# Altium PCB WX0.000.863拼板.PcbDoc (part 1 of 15) (continued)
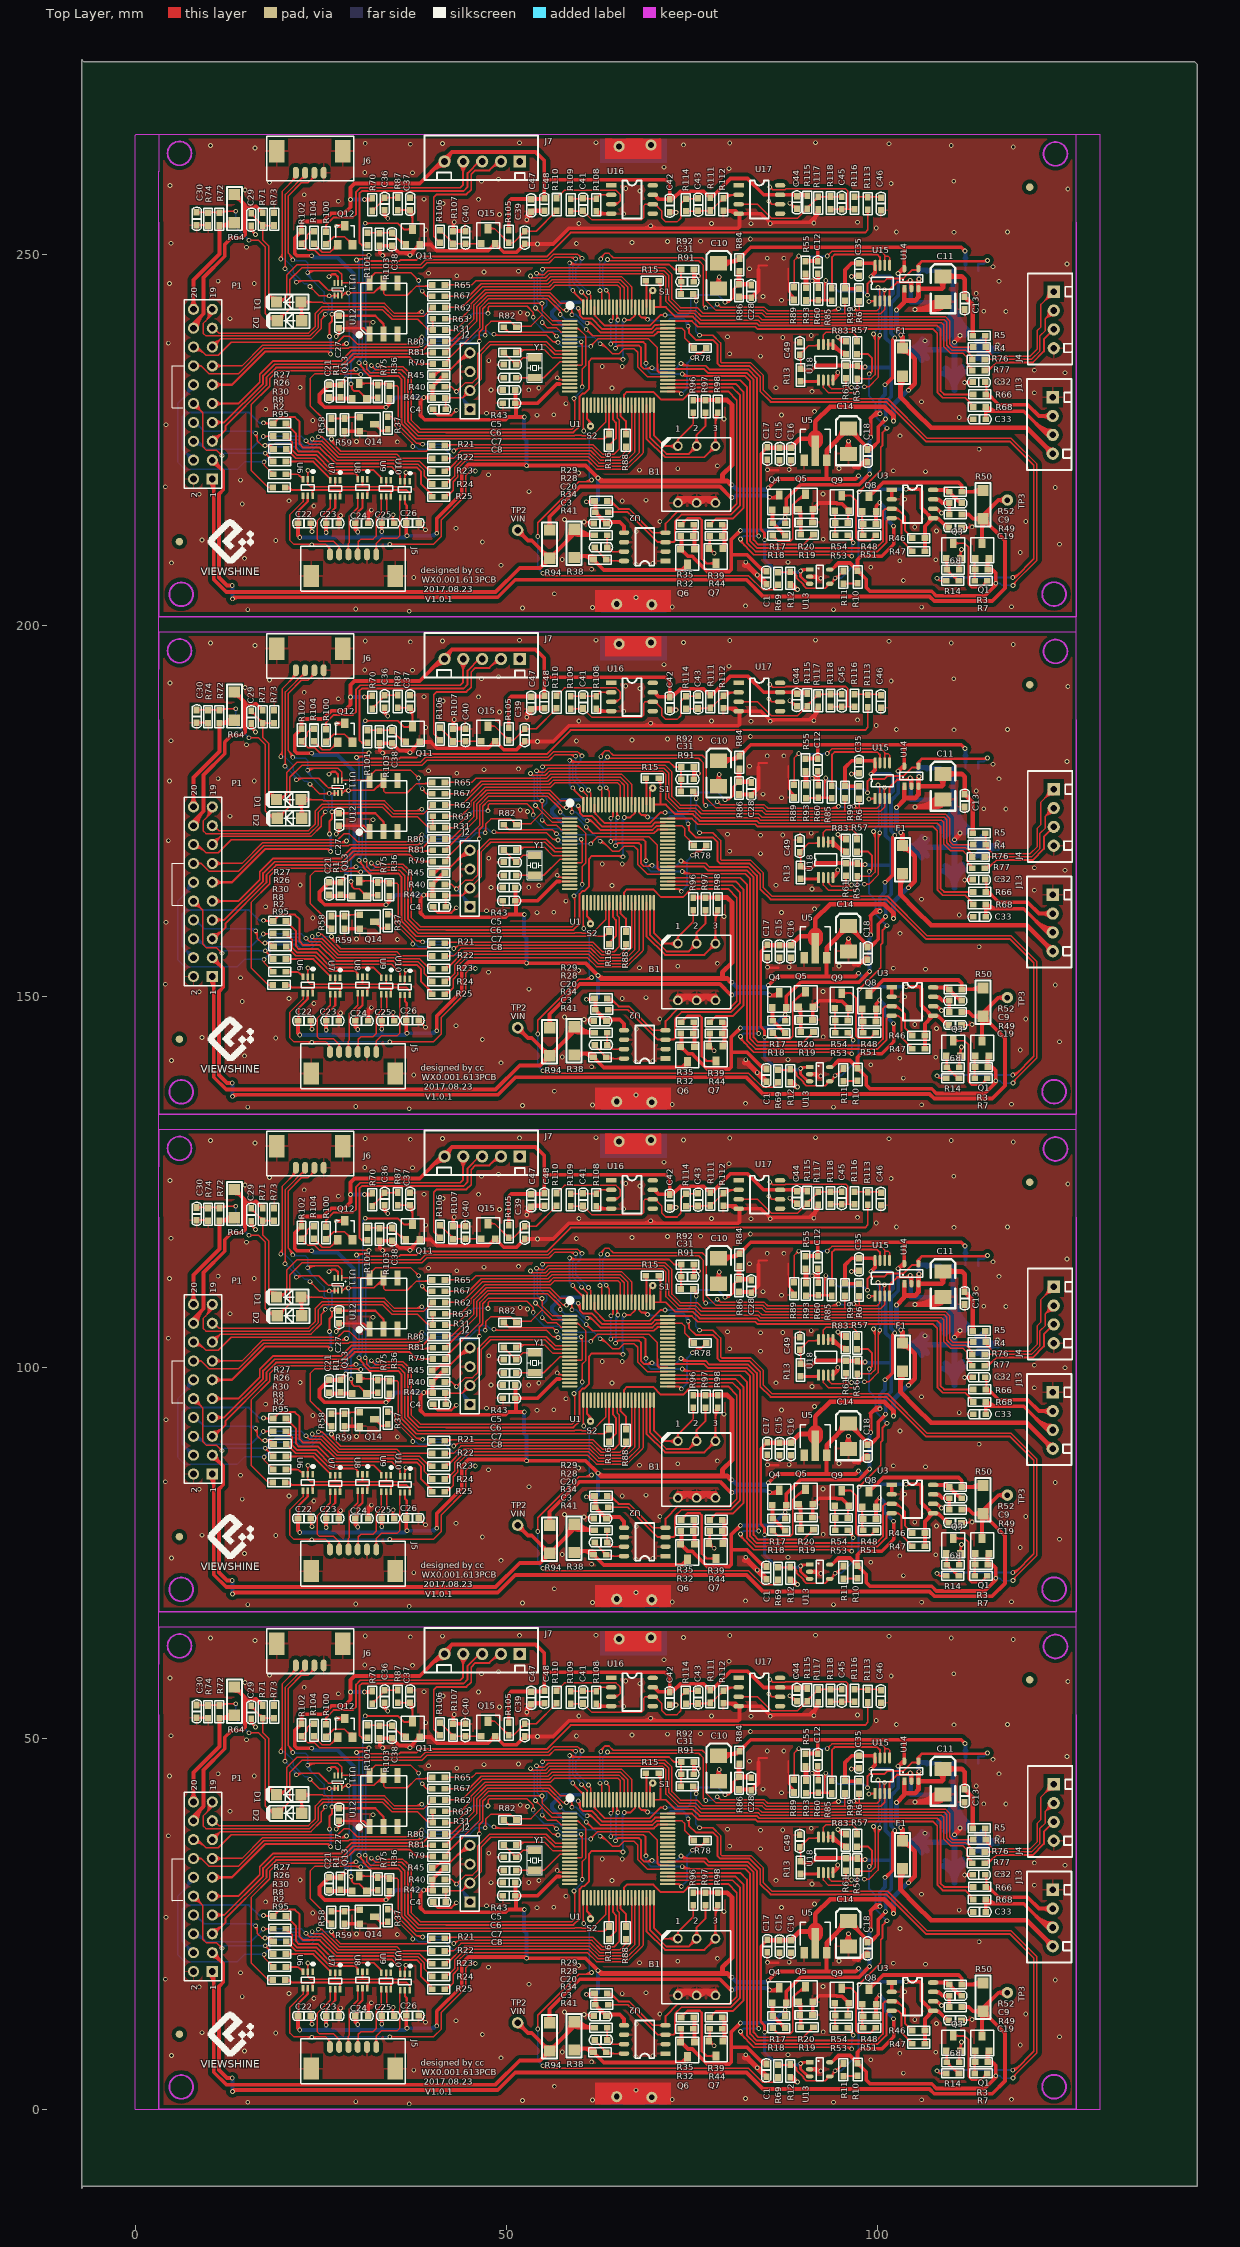
[diagram p0: Top Layer view]
## Components (designator, comment, footprint, x,y, rotation, side; value= is the part's Value field where it differs from the comment) (continued)
R25 "10k" R0603 41.707,83.21 r180 top
R25 "10k" R0603 41.707,150.266 r180 top
R25 "10k" R0603 41.707,217.322 r180 top
R26 "10" R0603 20.295,24.32 r180 top
R26 "10" R0603 20.295,91.376 r180 top
R26 "10" R0603 20.295,158.433 r180 top
R26 "10" R0603 20.295,225.488 r180 top
R27 "10" R0603 20.295,26.035 r180 top
R27 "10" R0603 20.295,93.091 r180 top
R27 "10" R0603 20.295,160.147 r180 top
R27 "10" R0603 20.295,227.203 r180 top
R28 "10k" R0603 63.703,14.072 r180 top
R28 "10k" R0603 63.703,81.128 r180 top
R28 "10k" R0603 63.703,148.184 r180 top
R28 "10k" R0603 63.703,215.24 r180 top
R29 "10K" R0603 63.576,15.596 r180 top
R29 "10K" R0603 63.576,82.652 r180 top
R29 "10K" R0603 63.576,149.708 r180 top
R29 "10K" R0603 63.576,216.764 r180 top
R30 "10" R0603 20.32,22.606 r180 top
R30 "10" R0603 20.32,89.662 r180 top
R30 "10" R0603 20.32,156.718 r180 top
R30 "10" R0603 20.32,223.774 r180 top
R31 "100" R0603 40.05,38.624 r0 top
R31 "100" R0603 40.05,105.68 r0 top
R31 "100" R0603 40.05,172.736 r0 top
R31 "100" R0603 40.05,239.792 r0 top
R32 "100k" R0603 75.184,10.846 r180 top
R32 "100k" R0603 75.184,77.902 r180 top
R32 "100k" R0603 75.184,144.958 r180 top
R32 "100k" R0603 75.184,212.014 r180 top
R34 "10" R0603 63.576,10.973 r180 top
R34 "10" R0603 63.576,78.029 r180 top
R34 "10" R0603 63.576,145.085 r180 top
R34 "10" R0603 63.576,212.141 r180 top
R35 "10k" R0603 73.533,12.37 r0 top
R35 "10k" R0603 73.533,79.426 r0 top
R35 "10k" R0603 73.533,146.482 r0 top
R35 "10k" R0603 73.533,213.538 r0 top
R36 "4.7k" R0603 34.239,31.09 r270 top
R36 "4.7k" R0603 34.239,98.146 r270 top
R36 "4.7k" R0603 34.239,165.202 r270 top
R36 "4.7k" R0603 34.239,232.258 r270 top
R37 "10k" R0603 34.011,25.248 r90 top
R37 "10k" R0603 34.011,92.304 r90 top
R37 "10k" R0603 34.011,159.36 r90 top
R37 "10k" R0603 34.011,226.416 r90 top
R38 "100" R1206 59.131,9.881 r270 top
R38 "100" R1206 59.131,76.937 r270 top
R38 "100" R1206 59.131,143.993 r270 top
R38 "100" R1206 59.131,211.049 r270 top
R39 "10k" R0603 79.121,12.37 r180 top
R39 "10k" R0603 79.121,79.426 r180 top
R39 "10k" R0603 79.121,146.482 r180 top
R39 "10k" R0603 79.121,213.538 r180 top
R40 "1K" R0603 41.727,30.967 r180 top
R40 "1K" R0603 41.727,98.023 r180 top
R40 "1K" R0603 41.727,165.079 r180 top
R40 "1K" R0603 41.727,232.135 r180 top
R41 "10" R0603 63.449,7.671 r180 top
R41 "10" R0603 63.449,74.727 r180 top
R41 "10" R0603 63.449,141.783 r180 top
R41 "10" R0603 63.449,208.839 r180 top
R42 "20k" R0603 40.05,29.466 r0 top
R42 "20k" R0603 40.05,96.522 r0 top
R42 "20k" R0603 40.05,163.578 r0 top
R42 "20k" R0603 40.05,230.634 r0 top
R43 "100K" r0603 49.631,35.611 r0 top
R43 "100K" r0603 49.631,102.667 r0 top
R43 "100K" r0603 49.631,169.723 r0 top
R43 "100K" r0603 49.631,236.779 r0 top
R44 "10k" R0603 79.121,10.846 r180 top
R44 "10k" R0603 79.121,77.902 r180 top
R44 "10k" R0603 79.121,144.958 r180 top
R44 "10k" R0603 79.121,212.014 r180 top
R45 "10" R0603 41.727,32.494 r180 top
R45 "10" R0603 41.727,99.55 r180 top
R45 "10" R0603 41.727,166.606 r180 top
R45 "10" R0603 41.727,233.662 r180 top
R46 "10k" R0603 104.724,10.592 r0 top
R46 "10k" R0603 104.724,77.648 r0 top
R46 "10k" R0603 104.724,144.704 r0 top
R46 "10k" R0603 104.724,211.76 r0 top
R47 "10K" R0603 104.724,8.814 r0 top
R47 "10K" R0603 104.724,75.87 r0 top
R47 "10K" R0603 104.724,142.926 r0 top
R47 "10K" R0603 104.724,209.982 r0 top
R48 "100k" R0603 98.12,12.497 r0 top
R48 "100k" R0603 98.12,79.553 r0 top
R48 "100k" R0603 98.12,146.609 r0 top
R48 "100k" R0603 98.12,213.665 r0 top
R49 "10" R0603 109.677,13.767 r0 top
R49 "10" R0603 109.677,80.823 r0 top
R49 "10" R0603 109.677,147.879 r0 top
R49 "10" R0603 109.677,214.935 r0 top
R50 "100" R1206 114.249,15.088 r90 top
R50 "100" R1206 114.249,82.144 r90 top
R50 "100" R1206 114.249,149.2 r90 top
R50 "100" R1206 114.249,216.256 r90 top
R51 "10k" R0603 99.771,10.973 r180 top
R51 "10k" R0603 99.771,78.029 r180 top
R51 "10k" R0603 99.771,145.085 r180 top
R51 "10k" R0603 99.771,212.141 r180 top
R52 "10" R0603 109.677,16.815 r0 top
R52 "10" R0603 109.677,83.871 r0 top
R52 "10" R0603 109.677,150.927 r0 top
R52 "10" R0603 109.677,217.983 r0 top
R53 "10k" R0603 94.31,10.973 r0 top
R53 "10k" R0603 94.31,78.029 r0 top
R53 "10k" R0603 94.31,145.085 r0 top
R53 "10k" R0603 94.31,212.141 r0 top
R54 "10k" R0603 94.31,12.624 r0 top
R54 "10k" R0603 94.31,79.68 r0 top
R54 "10k" R0603 94.31,146.736 r0 top
R54 "10k" R0603 94.31,213.792 r0 top
R55 "22K" R0603 90.322,47.879 r270 top
R55 "22K" R0603 90.322,114.935 r270 top
R55 "22K" R0603 90.322,181.991 r270 top
R55 "22K" R0603 90.322,249.047 r270 top
R56 "10k" R0603 97.282,33.782 r270 top
R56 "10k" R0603 97.282,100.838 r270 top
R56 "10k" R0603 97.282,167.894 r270 top
R56 "10k" R0603 97.282,234.95 r270 top
R57 "3K 1%" R0603 97.257,35.382 r90 top
R57 "3K 1%" R0603 97.257,102.438 r90 top
R57 "3K 1%" R0603 97.257,169.494 r90 top
R57 "3K 1%" R0603 97.257,236.55 r90 top
R58 "10k" R0603 26.416,26.695 r270 top
R58 "10k" R0603 26.416,93.751 r270 top
R58 "10k" R0603 26.416,160.807 r270 top
R58 "10k" R0603 26.416,227.863 r270 top
R59 "10k" R0603 28.194,26.695 r270 top
R59 "10k" R0603 28.194,93.751 r270 top
R59 "10k" R0603 28.194,160.807 r270 top
R59 "10k" R0603 28.194,227.863 r270 top
R60 "10K" R0603 92.024,42.647 r90 top
R60 "10K" R0603 92.024,109.703 r90 top
R60 "10K" R0603 92.024,176.759 r90 top
R60 "10K" R0603 92.024,243.815 r90 top
R61 "10k" R0603 95.758,32.131 r90 top
R61 "10k" R0603 95.758,99.187 r90 top
R61 "10k" R0603 95.758,166.243 r90 top
R61 "10k" R0603 95.758,233.299 r90 top
R62 "100" R0603 40.05,41.677 r0 top
R62 "100" R0603 40.05,108.733 r0 top
R62 "100" R0603 40.05,175.789 r0 top
R62 "100" R0603 40.05,242.845 r0 top
R63 "100" R0603 40.05,40.15 r0 top
R63 "100" R0603 40.05,107.206 r0 top
R63 "100" R0603 40.05,174.262 r0 top
R63 "100" R0603 40.05,241.318 r0 top
R64 "20" R1206 13.335,54.991 r90 top
R64 "20" R1206 13.335,122.047 r90 top
R64 "20" R1206 13.335,189.103 r90 top
R64 "20" R1206 13.335,256.159 r90 top
R65 "100" R0603 41.727,44.704 r180 top
R65 "100" R0603 41.727,111.76 r180 top
R65 "100" R0603 41.727,178.816 r180 top
R65 "100" R0603 41.727,245.872 r180 top
R66 "22" R0603 114.63,29.947 r180 top
R66 "22" R0603 114.63,97.003 r180 top
R66 "22" R0603 114.63,164.059 r180 top
R66 "22" R0603 114.63,231.115 r180 top
R67 "100" R0603 41.727,43.178 r180 top
R67 "100" R0603 41.727,110.234 r180 top
R67 "100" R0603 41.727,177.29 r180 top
R67 "100" R0603 41.727,244.346 r180 top
R68 "22" R0603 114.605,28.245 r180 top
R68 "22" R0603 114.605,95.301 r180 top
R68 "22" R0603 114.605,162.357 r180 top
R68 "22" R0603 114.605,229.413 r180 top
R69 "20k" R0603 86.614,5.969 r270 top
R69 "20k" R0603 86.614,73.025 r270 top
R69 "20k" R0603 86.614,140.081 r270 top
R69 "20k" R0603 86.614,207.137 r270 top
R70 "10" R0603 31.928,54.661 r90 top
R70 "10" R0603 31.928,121.717 r90 top
R70 "10" R0603 31.928,188.773 r90 top
R70 "10" R0603 31.928,255.829 r90 top
R71 "100" R0603 17.17,52.705 r90 top
R71 "100" R0603 17.17,119.761 r90 top
R71 "100" R0603 17.17,186.817 r90 top
R71 "100" R0603 17.17,253.873 r90 top
R72 "100" R0603 11.328,54.407 r270 top
R72 "100" R0603 11.328,121.463 r270 top
R72 "100" R0603 11.328,188.519 r270 top
R72 "100" R0603 11.328,255.575 r270 top
R73 "20k" R0603 18.694,52.705 r90 top
R73 "20k" R0603 18.694,119.761 r90 top
R73 "20k" R0603 18.694,186.817 r90 top
R73 "20k" R0603 18.694,253.873 r90 top
R74 "20k" R0603 9.804,54.407 r270 top
R74 "20k" R0603 9.804,121.463 r270 top
R74 "20k" R0603 9.804,188.519 r270 top
R74 "20k" R0603 9.804,255.575 r270 top
R75 "4.7k" R0603 32.664,29.515 r90 top
R75 "4.7k" R0603 32.664,96.571 r90 top
R75 "4.7k" R0603 32.664,163.627 r90 top
R75 "4.7k" R0603 32.664,230.683 r90 top
R76 "22" R0603 112.776,34.671 r0 top
R76 "22" R0603 112.776,101.727 r0 top
R76 "22" R0603 112.776,168.783 r0 top
R76 "22" R0603 112.776,235.839 r0 top
R77 "22" R0603 112.776,33.147 r0 top
R77 "22" R0603 112.776,100.203 r0 top
R77 "22" R0603 112.776,167.259 r0 top
R77 "22" R0603 112.776,234.315 r0 top
R78 "100" R0603 76.962,36.195 r180 top
R78 "100" R0603 76.962,103.251 r180 top
R78 "100" R0603 76.962,170.307 r180 top
R78 "100" R0603 76.962,237.363 r180 top
R79 "100" R0603 40.05,34.045 r0 top
R79 "100" R0603 40.05,101.101 r0 top
R79 "100" R0603 40.05,168.157 r0 top
R79 "100" R0603 40.05,235.213 r0 top
R80 "100" R0603 40.05,37.098 r0 top
R80 "100" R0603 40.05,104.154 r0 top
R80 "100" R0603 40.05,171.21 r0 top
R80 "100" R0603 40.05,238.266 r0 top
R81 "100" R0603 40.05,35.572 r0 top
R81 "100" R0603 40.05,102.628 r0 top
R81 "100" R0603 40.05,169.684 r0 top
R81 "100" R0603 40.05,236.74 r0 top
R82 "100" R0603 49.657,38.989 r0 top
R82 "100" R0603 49.657,106.045 r0 top
R82 "100" R0603 49.657,173.101 r0 top
R82 "100" R0603 49.657,240.157 r0 top
R83 "5.1K 1%" R0603 95.758,37.084 r270 top
R83 "5.1K 1%" R0603 95.758,104.14 r270 top
R83 "5.1K 1%" R0603 95.758,171.196 r270 top
R83 "5.1K 1%" R0603 95.758,238.252 r270 top
R84 "30k" R0603 81.407,48.26 r270 top
R84 "30k" R0603 81.407,115.316 r270 top
R84 "30k" R0603 81.407,182.372 r270 top
R84 "30k" R0603 81.407,249.428 r270 top
R85 "3K 1%" R0603 93.853,42.545 r90 top
R85 "3K 1%" R0603 93.853,109.601 r90 top
R85 "3K 1%" R0603 93.853,176.657 r90 top
R85 "3K 1%" R0603 93.853,243.713 r90 top
R86 "20k" R0603 81.356,44.78 r270 top
R86 "20k" R0603 81.356,111.836 r270 top
R86 "20k" R0603 81.356,178.892 r270 top
R86 "20k" R0603 81.356,245.948 r270 top
R87 "20k" R0603 35.357,54.788 r90 top
R87 "20k" R0603 35.357,121.844 r90 top
R87 "20k" R0603 35.357,188.9 r90 top
R87 "20k" R0603 35.357,255.956 r90 top
R88 "100" R0603 66.116,24.613 r270 top
R88 "100" R0603 66.116,91.669 r270 top
R88 "100" R0603 66.116,158.725 r270 top
R88 "100" R0603 66.116,225.781 r270 top
R89 "5.1K 1%" R0603 88.773,42.672 r90 top
R89 "5.1K 1%" R0603 88.773,109.728 r90 top
R89 "5.1K 1%" R0603 88.773,176.784 r90 top
R89 "5.1K 1%" R0603 88.773,243.84 r90 top
R91 "1k" R0603 75.209,43.485 r180 top
R91 "1k" R0603 75.209,110.541 r180 top
R91 "1k" R0603 75.209,177.597 r180 top
R91 "1k" R0603 75.209,244.653 r180 top
R92 "20k" R0603 73.584,46.787 r0 top
R92 "20k" R0603 73.584,113.843 r0 top
R92 "20k" R0603 73.584,180.899 r0 top
R92 "20k" R0603 73.584,247.955 r0 top
R93 "3k" R0603 90.373,44.298 r270 top
R93 "3k" R0603 90.373,111.354 r270 top
R93 "3k" R0603 90.373,178.41 r270 top
R93 "3k" R0603 90.373,245.466 r270 top
R94 "1" R1206 55.829,9.754 r90 top
R94 "1" R1206 55.829,76.81 r90 top
R94 "1" R1206 55.829,143.866 r90 top
R94 "1" R1206 55.829,210.922 r90 top
R95 "0" R0603 20.193,17.399 r180 top
R95 "0" R0603 20.193,84.455 r180 top
R95 "0" R0603 20.193,151.511 r180 top
R95 "0" R0603 20.193,218.567 r180 top
R96 "20k" R0603 75.184,27.483 r90 top
R96 "20k" R0603 75.184,94.539 r90 top
R96 "20k" R0603 75.184,161.595 r90 top
R96 "20k" R0603 75.184,228.651 r90 top
R97 "20k" R0603 76.835,27.483 r90 top
R97 "20k" R0603 76.835,94.539 r90 top
R97 "20k" R0603 76.835,161.595 r90 top
R97 "20k" R0603 76.835,228.651 r90 top
R98 "20k" R0603 78.486,27.483 r90 top
R98 "20k" R0603 78.486,94.539 r90 top
R98 "20k" R0603 78.486,161.595 r90 top
R98 "20k" R0603 78.486,228.651 r90 top
R99 "10K" R0603 95.631,42.545 r90 top
R99 "10K" R0603 95.631,109.601 r90 top
R99 "10K" R0603 95.631,176.657 r90 top
R99 "10K" R0603 95.631,243.713 r90 top
R100 "47" R0603 25.705,51.892 r270 top
R100 "47" R0603 25.705,118.948 r270 top
R100 "47" R0603 25.705,186.004 r270 top
R100 "47" R0603 25.705,253.06 r270 top
R101 "20k" R0603 31.267,50.038 r90 top
R101 "20k" R0603 31.267,117.094 r90 top
R101 "20k" R0603 31.267,184.15 r90 top
R101 "20k" R0603 31.267,251.206 r90 top
R102 "20k" R0603 22.403,51.943 r270 top
R102 "20k" R0603 22.403,118.999 r270 top
R102 "20k" R0603 22.403,186.055 r270 top
R102 "20k" R0603 22.403,253.111 r270 top
R103 "47k" R0603 32.918,51.689 r270 top
R103 "47k" R0603 32.918,118.745 r270 top
R103 "47k" R0603 32.918,185.801 r270 top
R103 "47k" R0603 32.918,252.857 r270 top
R104 "3k" R0603 24.054,50.241 r90 top
R104 "3k" R0603 24.054,117.297 r90 top
R104 "3k" R0603 24.054,184.353 r90 top
R104 "3k" R0603 24.054,251.409 r90 top
R105 "10K" R0603 50.317,50.394 r90 top
R105 "10K" R0603 50.317,117.45 r90 top
R105 "10K" R0603 50.317,184.506 r90 top
R105 "10K" R0603 50.317,251.562 r90 top
R106 "1K" R0603 41.046,50.394 r90 top
R106 "1K" R0603 41.046,117.45 r90 top
R106 "1K" R0603 41.046,184.506 r90 top
R106 "1K" R0603 41.046,251.562 r90 top
R107 "1K" R0603 42.824,51.918 r270 top
R107 "1K" R0603 42.824,118.974 r270 top
R107 "1K" R0603 42.824,186.03 r270 top
R107 "1K" R0603 42.824,253.086 r270 top
R108 "10k" R0603 62.103,56.337 r270 top
R108 "10k" R0603 62.103,123.393 r270 top
R108 "10k" R0603 62.103,190.449 r270 top
R108 "10k" R0603 62.103,257.505 r270 top
R109 "10k" R0603 58.674,56.337 r270 top
R109 "10k" R0603 58.674,123.393 r270 top
R109 "10k" R0603 58.674,190.449 r270 top
R109 "10k" R0603 58.674,257.505 r270 top
R110 "10K" R0603 56.769,54.686 r90 top
R110 "10K" R0603 56.769,121.742 r90 top
R110 "10K" R0603 56.769,188.798 r90 top
R110 "10K" R0603 56.769,255.854 r90 top
R111 "22k" R0603 77.47,54.737 r90 top
R111 "22k" R0603 77.47,121.793 r90 top
R111 "22k" R0603 77.47,188.849 r90 top
R111 "22k" R0603 77.47,255.905 r90 top
R112 "20k" R0603 79.248,56.388 r270 top
R112 "20k" R0603 79.248,123.444 r270 top
R112 "20k" R0603 79.248,190.5 r270 top
R112 "20k" R0603 79.248,257.556 r270 top
R113 "10" R0603 98.704,54.813 r90 top
R113 "10" R0603 98.704,121.869 r90 top
R113 "10" R0603 98.704,188.925 r90 top
R113 "10" R0603 98.704,255.981 r90 top
R114 "20k" R0603 74.193,56.337 r270 top
R114 "20k" R0603 74.193,123.393 r270 top
R114 "20k" R0603 74.193,190.449 r270 top
R114 "20k" R0603 74.193,257.505 r270 top
R115 "20k" R0603 90.551,54.991 r90 top
R115 "20k" R0603 90.551,122.047 r90 top
R115 "20k" R0603 90.551,189.103 r90 top
R115 "20k" R0603 90.551,256.159 r90 top
R116 "47" R0603 96.926,56.591 r270 top
R116 "47" R0603 96.926,123.647 r270 top
R116 "47" R0603 96.926,190.703 r270 top
R116 "47" R0603 96.926,257.759 r270 top
R117 "20k" R0603 92.024,56.566 r270 top
R117 "20k" R0603 92.024,123.622 r270 top
R117 "20k" R0603 92.024,190.678 r270 top
R117 "20k" R0603 92.024,257.734 r270 top
R118 "1M" R0603 93.675,54.915 r90 top
R118 "1M" R0603 93.675,121.971 r90 top
R118 "1M" R0603 93.675,189.027 r90 top
R118 "1M" R0603 93.675,256.083 r90 top
S1 "Test Point  PASS" TP_S 69.723,43.942 r0 top
S1 "Test Point  PASS" TP_S 69.723,110.998 r0 top
S1 "Test Point  PASS" TP_S 69.723,178.054 r0 top
S1 "Test Point  PASS" TP_S 69.723,245.11 r0 top
S2 "Test Point  PASS" TP_S 61.341,25.654 r0 top
S2 "Test Point  PASS" TP_S 61.341,92.71 r0 top
S2 "Test Point  PASS" TP_S 61.341,159.766 r0 top
S2 "Test Point  PASS" TP_S 61.341,226.822 r0 top
TP2 "TP" TEST_PAD#1 51.522,11.647 r90 top
TP2 "TP" TEST_PAD#1 51.522,78.703 r90 top
TP2 "TP" TEST_PAD#1 51.522,145.759 r90 top
TP2 "TP" TEST_PAD#1 51.522,212.815 r90 top
TP3 "TP" TEST_PAD#2 118.059,15.088 r90 top
TP3 "TP" TEST_PAD#2 118.059,82.144 r90 top
TP3 "TP" TEST_PAD#2 118.059,149.2 r90 top
TP3 "TP" TEST_PAD#2 118.059,216.256 r90 top
U1 "R7F0C003/4M2DFB" MSP437QFP80 65.125,35.103 r90 top locked
U1 "R7F0C003/4M2DFB" MSP437QFP80 65.125,102.159 r90 top locked
U1 "R7F0C003/4M2DFB" MSP437QFP80 65.125,169.215 r90 top locked
U1 "R7F0C003/4M2DFB" MSP437QFP80 65.125,236.271 r90 top locked
U2 "ina219" SO-8 68.656,9.398 r180 top
U2 "ina219" SO-8 68.656,76.454 r180 top
U2 "ina219" SO-8 68.656,143.51 r180 top
U2 "ina219" SO-8 68.656,210.566 r180 top
U3 "ina219" SO-8 104.724,15.164 r0 top
U3 "ina219" SO-8 104.724,82.22 r0 top
U3 "ina219" SO-8 104.724,149.276 r0 top
U3 "ina219" SO-8 104.724,216.332 r0 top
U4 "SPX29302T5" TO-263-5 110.185,45.314 r0 bottom locked
U4 "SPX29302T5" TO-263-5 110.185,112.37 r0 bottom locked
U4 "SPX29302T5" TO-263-5 110.185,179.426 r0 bottom locked
U4 "SPX29302T5" TO-263-5 110.185,246.482 r0 bottom locked
U5 "S-1206B33" SOT-89 91.643,21.971 r0 top
U5 "S-1206B33" SOT-89 91.643,89.027 r0 top
U5 "S-1206B33" SOT-89 91.643,156.083 r0 top
U5 "S-1206B33" SOT-89 91.643,223.139 r0 top
U6 "TS5A3159" SOT-23(6) 23.241,17.399 r270 top
U6 "TS5A3159" SOT-23(6) 23.241,84.455 r270 top
U6 "TS5A3159" SOT-23(6) 23.241,151.511 r270 top
U6 "TS5A3159" SOT-23(6) 23.241,218.567 r270 top
U7 "TS5A3159" SOT-23(6) 26.924,17.272 r270 top
U7 "TS5A3159" SOT-23(6) 26.924,84.328 r270 top
U7 "TS5A3159" SOT-23(6) 26.924,151.384 r270 top
U7 "TS5A3159" SOT-23(6) 26.924,218.44 r270 top
U8 "TS5A3159" SOT-23(6) 30.607,17.399 r270 top
U8 "TS5A3159" SOT-23(6) 30.607,84.455 r270 top
U8 "TS5A3159" SOT-23(6) 30.607,151.511 r270 top
U8 "TS5A3159" SOT-23(6) 30.607,218.567 r270 top
U9 "TS5A3159" SOT-23(6) 33.782,17.272 r270 top
U9 "TS5A3159" SOT-23(6) 33.782,84.328 r270 top
U9 "TS5A3159" SOT-23(6) 33.782,151.384 r270 top
U9 "TS5A3159" SOT-23(6) 33.782,218.44 r270 top
U10 "TS5A3159" SOT-23(6) 36.322,17.145 r270 top
U10 "TS5A3159" SOT-23(6) 36.322,84.201 r270 top
U10 "TS5A3159" SOT-23(6) 36.322,151.257 r270 top
U10 "TS5A3159" SOT-23(6) 36.322,218.313 r270 top
U11 "tem102" SOP6 27.813,44.907 r270 top
U11 "tem102" SOP6 27.813,111.963 r270 top
U11 "tem102" SOP6 27.813,179.019 r270 top
U11 "tem102" SOP6 27.813,246.075 r270 top
U12 "HP206C" HP206C-TEST 33.452,41.529 r90 top
U12 "HP206C" HP206C-TEST 33.452,108.585 r90 top
U12 "HP206C" HP206C-TEST 33.452,175.641 r90 top
U12 "HP206C" HP206C-TEST 33.452,242.697 r90 top
U13 "SPX3819-ADJ" SOT23-5 90.881,6.325 r0 top
U13 "SPX3819-ADJ" SOT23-5 90.881,73.381 r0 top
U13 "SPX3819-ADJ" SOT23-5 90.881,140.437 r0 top
U13 "SPX3819-ADJ" SOT23-5 90.881,207.493 r0 top
U14 "SPX3819-ADJ" SOT23-5 103.632,44.196 r90 top
U14 "SPX3819-ADJ" SOT23-5 103.632,111.252 r90 top
U14 "SPX3819-ADJ" SOT23-5 103.632,178.308 r90 top
U14 "SPX3819-ADJ" SOT23-5 103.632,245.364 r90 top
U15 "MCP4561" MSOP 99.695,42.545 r90 top
U15 "MCP4561" MSOP 99.695,109.601 r90 top
U15 "MCP4561" MSOP 99.695,176.657 r90 top
U15 "MCP4561" MSOP 99.695,243.713 r90 top
U16 "MCP6141-8" SO-8 66.929,56.21 r0 top
U16 "MCP6141-8" SO-8 66.929,123.266 r0 top
U16 "MCP6141-8" SO-8 66.929,190.322 r0 top
U16 "MCP6141-8" SO-8 66.929,257.378 r0 top
U17 "MCP6141-8" SO-8 84.099,56.21 r0 top
U17 "MCP6141-8" SO-8 84.099,123.266 r0 top
U17 "MCP6141-8" SO-8 84.099,190.322 r0 top
U17 "MCP6141-8" SO-8 84.099,257.378 r0 top
U18 "MCP4561" MSOP 92.075,31.877 r90 top
U18 "MCP4561" MSOP 92.075,98.933 r90 top
U18 "MCP4561" MSOP 92.075,165.989 r90 top
U18 "MCP4561" MSOP 92.075,233.045 r90 top
Y1 "32768" XTAL-2S 53.822,32.182 r90 top
Y1 "32768" XTAL-2S 53.822,99.238 r90 top
Y1 "32768" XTAL-2S 53.822,166.294 r90 top
Y1 "32768" XTAL-2S 53.822,233.35 r90 top

## Footprints (in the part's own frame and the unit in brackets; to place one, negate y for a bottom-side part, rotate by r counter-clockwise, add the part's x,y. Pads: shape width x height; smd on the part's side, far side on the other; paste and mask are expansions set on the pad)
3528 [mil]
  rect 75x90 smd: 1(0,0) 2(-135,0)
  silkscreen extent -195,-65 65,65
BOMA-3 [mm]
  round 1.3 hole 0.8: 1(-2.54,3.82) 2(0,3.82) 3(2.54,3.82) 4(-2.54,-3.82) 5(0,-3.82) 6(2.54,-3.82)
  silkscreen extent -4.7,-4.95 4.57,4.92
C0603 [mil]
  rect 35x31 smd: 1(-0.49,0) 2(66.51,0)
  silkscreen extent -29,-24 94,23, body extent 1,-15 72,15, height 20
c0603 [mil]
  rect 35x31 smd: 1(-0.49,0) 2(66.51,0)
  silkscreen extent -29,-24 94,23, body extent 1,-15 72,15, height 20
HDR1X4 [mm] "Connector; Header; 4 Position"
  rect 1.5x1.5 hole 0.9: 1(0,0)
  round 1.5 hole 0.9: 2(2.54,0) 3(5.08,0) 4(7.62,0)
  silkscreen extent -1.27,-1.27 8.89,1.27
HDR2X10 [mm] "Connector; Header; 10x2 Position"
  rect 1.5x1.5 hole 0.9: 1(0,0)
  round 1.5 hole 0.9: 2(0,2.54) 3(2.54,0) 4(2.54,2.54) 5(5.08,0) 6(5.08,2.54) 7(7.62,0) 8(7.62,2.54) 9(10.16,0) 10(10.16,2.54) 11(12.7,0) 12(12.7,2.54) 13(15.24,0) 14(15.24,2.54) 15(17.78,0) 16(17.78,2.54) 17(20.32,0) 18(20.32,2.54) 19(22.86,0) 20(22.86,2.54)
  silkscreen extent -1.27,-1.27 24.13,3.81
HDX4 [mil]
  rect 65x65 hole 35: 1(0,150)
  round 65 hole 35: 2(0,50) 3(0,-50) 4(0,-150)
  silkscreen extent -138,-236 98,247
HP206C-TEST [mm]
  rect 2x0.8 smd: 1(-3.448,1.9) 2(-3.448,0) 3(-3.448,-1.9) 4(3.448,-1.9) 5(3.448,0) 6(3.448,1.9)
  silkscreen extent -3.56,-3.1 3.4,3.3
JP5 [mil] "2.54"
  rect 65x65 hole 35: 1(0,300)
  round 65 hole 35: 2(0,200) 3(0,100) 4(0,0) 5(0,-100)
  silkscreen extent -138,-206 98,397
LL34 [mil] "1N4148"
  rect 60x60 smd: 1(-65,0) 2(65,0)
  silkscreen extent -105,-40 120,40, body extent -64,-29 74,30, height 61
MSOP [mm]
  rect 1.5x0.39 smd: 1(0,0)
  oval 1.5x0.39 smd: 2(0,-0.65) 3(0,-1.3) 4(0,-1.95) 5(4.8,-1.95) 6(4.8,-1.3) 7(4.8,-0.65) 8(4.8,0)
  silkscreen extent 1.58,-2.48 3.21,0.52
MSP437QFP80 [mm]
  oval 0.3x2.1 smd: 1(4.75,6.6) 2(4.25,6.6) 3(3.75,6.6) 4(3.25,6.6) 5(2.75,6.6) 6(2.25,6.6) 7(1.75,6.6) 8(1.25,6.6) 9(0.75,6.6) 10(0.25,6.6) 11(-0.25,6.6) 12(-0.75,6.6) 13(-1.25,6.6) 14(-1.75,6.6) 15(-2.25,6.6) 16(-2.75,6.6) 17(-3.25,6.6) 18(-3.75,6.6) 19(-4.25,6.6) 20(-4.75,6.6) 41(-4.75,-6.6) 42(-4.25,-6.6) 43(-3.75,-6.6) 44(-3.25,-6.6) 45(-2.75,-6.6) 46(-2.25,-6.6) 47(-1.75,-6.6) 48(-1.25,-6.6) 49(-0.75,-6.6) 50(-0.25,-6.6) 51(0.25,-6.6) 52(0.75,-6.6) 53(1.25,-6.6) 54(1.75,-6.6) 55(2.25,-6.6) 56(2.75,-6.6) 57(3.25,-6.6) 58(3.75,-6.6) 59(4.25,-6.6) 60(4.75,-6.6)
  oval 2.1x0.3 smd: 21(-6.6,4.75) 22(-6.6,4.25) 23(-6.6,3.75) 24(-6.6,3.25) 25(-6.6,2.75) 26(-6.6,2.25) 27(-6.6,1.75) 28(-6.6,1.25) 29(-6.6,0.75) 30(-6.6,0.25) 31(-6.6,-0.25) 32(-6.6,-0.75) 33(-6.6,-1.25) 34(-6.6,-1.75) 35(-6.6,-2.25) 36(-6.6,-2.75) 37(-6.6,-3.25) 38(-6.6,-3.75) 39(-6.6,-4.25) 40(-6.6,-4.75) 61(6.6,-4.75) 62(6.6,-4.25) 63(6.6,-3.75) 64(6.6,-3.25) 65(6.6,-2.75) 66(6.6,-2.25) 67(6.6,-1.75) 68(6.6,-1.25) 69(6.6,-0.75) 70(6.6,-0.25) 71(6.6,0.25) 72(6.6,0.75) 73(6.6,1.25) 74(6.6,1.75) 75(6.6,2.25) 76(6.6,2.75) 77(6.6,3.25) 78(6.6,3.75) 79(6.6,4.25) 80(6.6,4.75)
  silkscreen extent 6.52,6.25 7.12,6.85
R0603 [mil]
  rect 35x31 smd: 1(0,0) 2(67,0)
  silkscreen extent -26,-24 92,23, body extent 0,-15 71,15, height 12
r0603 [mil]
  rect 35x31 smd: 1(0,0) 2(67,0)
  silkscreen extent -26,-24 92,23, body extent 0,-15 71,15, height 12
R1206 [mil]
  rect 60x60 smd: 1(-75,0) 2(75,0)
  silkscreen extent -115,-40 115,40, body extent -87,-29 91,29, height 20
SMT-1.25-4 [mm]
  oval 0.8x1.6 smd: 1(-1.875,0) 2(-0.625,0) 3(0.625,0) 4(1.875,0)
  rect 2.1x3 smd: 5(-4.425,-2.9) 6(4.425,-2.9)
  silkscreen extent -5.92,-4.95 5.77,1.1
SMT-1.25-6 [mm]
  oval 0.8x1.6 smd: 1(-3.125,0) 2(-1.875,0) 3(-0.625,0) 4(0.625,0) 5(1.875,0) 6(3.125,0)
  rect 2.1x3 smd: 7(-5.625,-2.9) 8(5.675,-2.9)
  silkscreen extent -7.02,-4.95 7.02,1.1
SO-8 [mil]
  rect 55.12x24.02 smd: 1(-110,75)
  oval 55.12x24 smd: 2(-110,25) 3(-110,-25) 4(-110,-75) 5(110,-75) 6(110,-25) 7(110,25) 8(110,75)
  silkscreen extent -50,-100 50,100
SOP6 [mm]
  rect 0.8x0.25 smd: 1(-0.05,0) 2(-0.05,-0.5) 3(-0.05,-1) 4(1.65,-1) 5(1.65,-0.5) 6(1.65,0)
  silkscreen extent 0.41,-1.25 0.98,0.48
SOT23-5 [mm]
  rect 1x0.55 smd: 1(0,0)
  oval 1x0.55 smd: 2(0,-0.95) 3(0,-1.9) 4(2.7,-1.9) 5(2.7,0)
  silkscreen extent 0.85,-2.5 1.85,0.6
SOT23-9013 [mil]
  rect 40x50 smd: 1(0,0) 2(-79.36,0.8) 3(-40,100)
  silkscreen extent -90,40 10,100
SOT-23(6) [mm]
  rect 0.85x0.35 smd: 1(-1.1,0.65) 2(-1.1,0) 3(-1.1,-0.65) 4(1.1,-0.65) 5(1.1,0) 6(1.1,0.65)
  silkscreen extent -2.16,-0.89 0.38,0.89
SOT-23-MOS [mil]
  rect 36x50 smd: D(0,45)
  rect 36x36 smd: G(-37,-35) S(38,-35)
  silkscreen extent -60,-59 62,75, body extent -44,-35 44,45, height 39
SOT-23-TRAN [mil]
  rect 36x36 smd: B(-37,-35) E(38,-35)
  rect 36x50 smd: C(0,45)
  silkscreen extent -60,-59 62,75, body extent -44,-35 44,45, height 39
SOT-89 [mil]
  rect 40x60 smd: 1(-60,-35) 3(60,-35)
  rect 40x160.63 smd: 2(0,15.32)
  Top Layer lines w80: 0,62.98 0,84.62
  silkscreen extent -80,5 80,128
TEST_PAD#1 [mil]
  round 60 hole 35.43: 1(0,0)
TEST_PAD#2 [mil]
  round 60 hole 30: 1(24.02,21.14)
TO-263-5 [mm]
  rect 9.5x7.5 smd: 0(-0.1,9.398)
  rect 0.9x4 smd: 1(-3.4,-1.3)
  oval 0.9x4 smd: 2(-1.7,-1.3) 3(0,-1.3) 4(1.7,-1.3) 5(3.4,-1.3)
  silkscreen extent -5.2,-3.67 5.15,13.6
TP_S [mm]
  round 1 smd: 1(0,0)
XTAL-2S [mm]
  rect 1x1.8 smd: 1(0,0) 2(2.7,0)
  silkscreen extent -0.6,-1 3.3,1

## Part data
C1 C1 C1 C1 C7 C7 C7 C7 C8 C8 C8 C8 C12 C12 C12 C12 C13 C13 C13 C13 C15 C15 C15 C15 C16 C16 C16 C16 C17 C17 C17 C17 C18 C18 C18 C18 C19 C19 C19 C19 C20 C20 C20 C20 C21 C21 C21 C21 C22 C22 C22 C22 C23 C23 C23 C23 C24 C24 C24 C24 C25 C25 C25 C25 C26 C26 C26 C26 C27 C27 C27 C27 C28 C28 C28 C28 C29 C29 C29 C29 C30 C30 C30 C30 C31 C31 C31 C31 C32 C32 C32 C32 C33 C33 C33 C33 C36 C36 C36 C36 C47 C47 C47 C47 C48 C48 C48 C48: library part CAP, "无极性电容"
C3 C3 C3 C3 C9 C9 C9 C9: library part Pro28.tmp_UnNamed_45
C4 C4 C4 C4 C37 C37 C37 C37 C38 C38 C38 C38 C39 C39 C39 C39 C40 C40 C40 C40 C41 C41 C41 C41 C42 C42 C42 C42 C43 C43 C43 C43 C44 C44 C44 C44 C45 C45 C45 C45 C46 C46 C46 C46: library part CAP, "Capacitor"
C5 C5 C5 C5 C6 C6 C6 C6: library part CAP1
C10 C10 C10 C10 C11 C11 C11 C11 C14 C14 C14 C14: library part CAP-POL2, "钽电容"
C35 C35 C35 C35 C49 C49 C49 C49: library part Cap, "Capacitor"
D1 D1 D1 D1 D2 D2 D2 D2: library part DIODE, "Diode"
F1 F1 F1 F1: library part FUSE
J2 J2 J2 J2 J4 J4 J4 J4 J6 J6 J6 J6 J13 J13 J13 J13: "Header, 4-Pin"
J5 J5 J5 J5: library part CON6
J7 J7 J7 J7: library part "Header 5", "Header, 5-Pin"
P1 P1 P1 P1: "Header, 10-Pin, Dual row"
Q1 Q1 Q1 Q1 Q4 Q4 Q4 Q4 Q6 Q6 Q6 Q6 Q8 Q8 Q8 Q8: library part MOS-P, "P-channel  MOSFET"
Q3 Q3 Q3 Q3 Q5 Q5 Q5 Q5 Q7 Q7 Q7 Q7 Q9 Q9 Q9 Q9 Q11 Q11 Q11 Q11 Q13 Q13 Q13 Q13 Q14 Q14 Q14 Q14 Q15 Q15 Q15 Q15: library part NPN-S, "NPN Transistor"
R1 R1 R1 R1 R36 R36 R36 R36 R75 R75 R75 R75 R88 R88 R88 R88: library part "RES  PASS"
R2 R2 R2 R2 R4 R4 R4 R4 R5 R5 R5 R5 R8 R8 R8 R8 R26 R26 R26 R26 R27 R27 R27 R27 R30 R30 R30 R30 R40 R40 R40 R40 R42 R42 R42 R42 R45 R45 R45 R45 R70 R70 R70 R70 R76 R76 R76 R76 R77 R77 R77 R77 R78 R78 R78 R78 R79 R79 R79 R79 R80 R80 R80 R80 R81 R81 R81 R81 R87 R87 R87 R87 R101 R101 R101 R101 R103 R103 R103 R103 R105 R105 R105 R105 R106 R106 R106 R106 R107 R107 R107 R107 R108 R108 R108 R108 R109 R109 R109 R109 R110 R110 R110 R110 R111 R111 R111 R111 R112 R112 R112 R112 R113 R113 R113 R113 R114 R114 R114 R114 R115 R115 R115 R115 R116 R116 R116 R116 R117 R117 R117 R117 R118 R118 R118 R118: library part RES11
R3 R3 R3 R3 R7 R7 R7 R7 R9 R9 R9 R9 R10 R10 R10 R10 R11 R11 R11 R11 R12 R12 R12 R12 R13 R13 R13 R13 R14 R14 R14 R14 R15 R15 R15 R15 R16 R16 R16 R16 R17 R17 R17 R17 R18 R18 R18 R18 R19 R19 R19 R19 R20 R20 R20 R20 R21 R21 R21 R21 R22 R22 R22 R22 R23 R23 R23 R23 R24 R24 R24 R24 R25 R25 R25 R25 R28 R28 R28 R28 R29 R29 R29 R29 R31 R31 R31 R31 R32 R32 R32 R32 R34 R34 R34 R34 R35 R35 R35 R35 R37 R37 R37 R37 R38 R38 R38 R38 R39 R39 R39 R39 R41 R41 R41 R41 R43 R43 R43 R43 R44 R44 R44 R44 R46 R46 R46 R46 R47 R47 R47 R47 R48 R48 R48 R48 R49 R49 R49 R49 R50 R50 R50 R50 R51 R51 R51 R51 R52 R52 R52 R52 R53 R53 R53 R53 R54 R54 R54 R54 R58 R58 R58 R58 R59 R59 R59 R59 R62 R62 R62 R62 R63 R63 R63 R63 R65 R65 R65 R65 R67 R67 R67 R67 R69 R69 R69 R69 R71 R71 R71 R71 R72 R72 R72 R72 R73 R73 R73 R73 R74 R74 R74 R74 R82 R82 R82 R82 R84 R84 R84 R84 R86 R86 R86 R86 R91 R91 R91 R91 R92 R92 R92 R92 R93 R93 R93 R93 R94 R94 R94 R94 R95 R95 R95 R95 R96 R96 R96 R96 R97 R97 R97 R97 R98 R98 R98 R98: library part RES
R6 R6 R6 R6 R56 R56 R56 R56 R57 R57 R57 R57 R61 R61 R61 R61 R83 R83 R83 R83 R85 R85 R85 R85 R89 R89 R89 R89 R99 R99 R99 R99: library part Res2, "Resistor"
R55 R55 R55 R55 R60 R60 R60 R60 R64 R64 R64 R64 R66 R66 R66 R66 R68 R68 R68 R68: library part RES2
R100 R100 R100 R100 R102 R102 R102 R102 R104 R104 R104 R104: library part Pro28.tmp_UnNamed_37
S1 S1 S1 S1 S2 S2 S2 S2: "测试点"
U2 U2 U2 U2 U3 U3 U3 U3: library part Component_2
U5 U5 U5 U5: library part VOLTRER1
Y1 Y1 Y1 Y1: library part XTAL1, "晶振,2PIN"

## Free pads (board coordinates)
  round 1 all layers, no hole mask+0.025: 0(5.933,10.096) 0(5.933,77.152) 0(5.933,144.208) 0(5.933,211.264) 0(120.538,57.874) 0(120.538,124.93) 0(120.538,191.986) 0(120.538,259.042)
  round 1.5 hole 0.8: 2(64.872,1.676) 2(64.872,68.732) 2(64.872,135.788) 2(64.872,202.844) 3(69.596,1.6) 3(69.596,68.656) 3(69.596,135.712) 3(69.596,202.768) 4(65.202,63.373) 4(65.202,130.429) 4(65.202,197.485) 4(65.202,264.541) 5(69.494,63.551) 5(69.494,130.607) 5(69.494,197.663) 5(69.494,264.719)

## Via types
v1: diameter 0.635, hole 0.381, Top Layer to Bottom Layer, tented both sides, 1604 vias